# Altium PCB Version_2.PcbDoc (part 5 of 6) (continued)
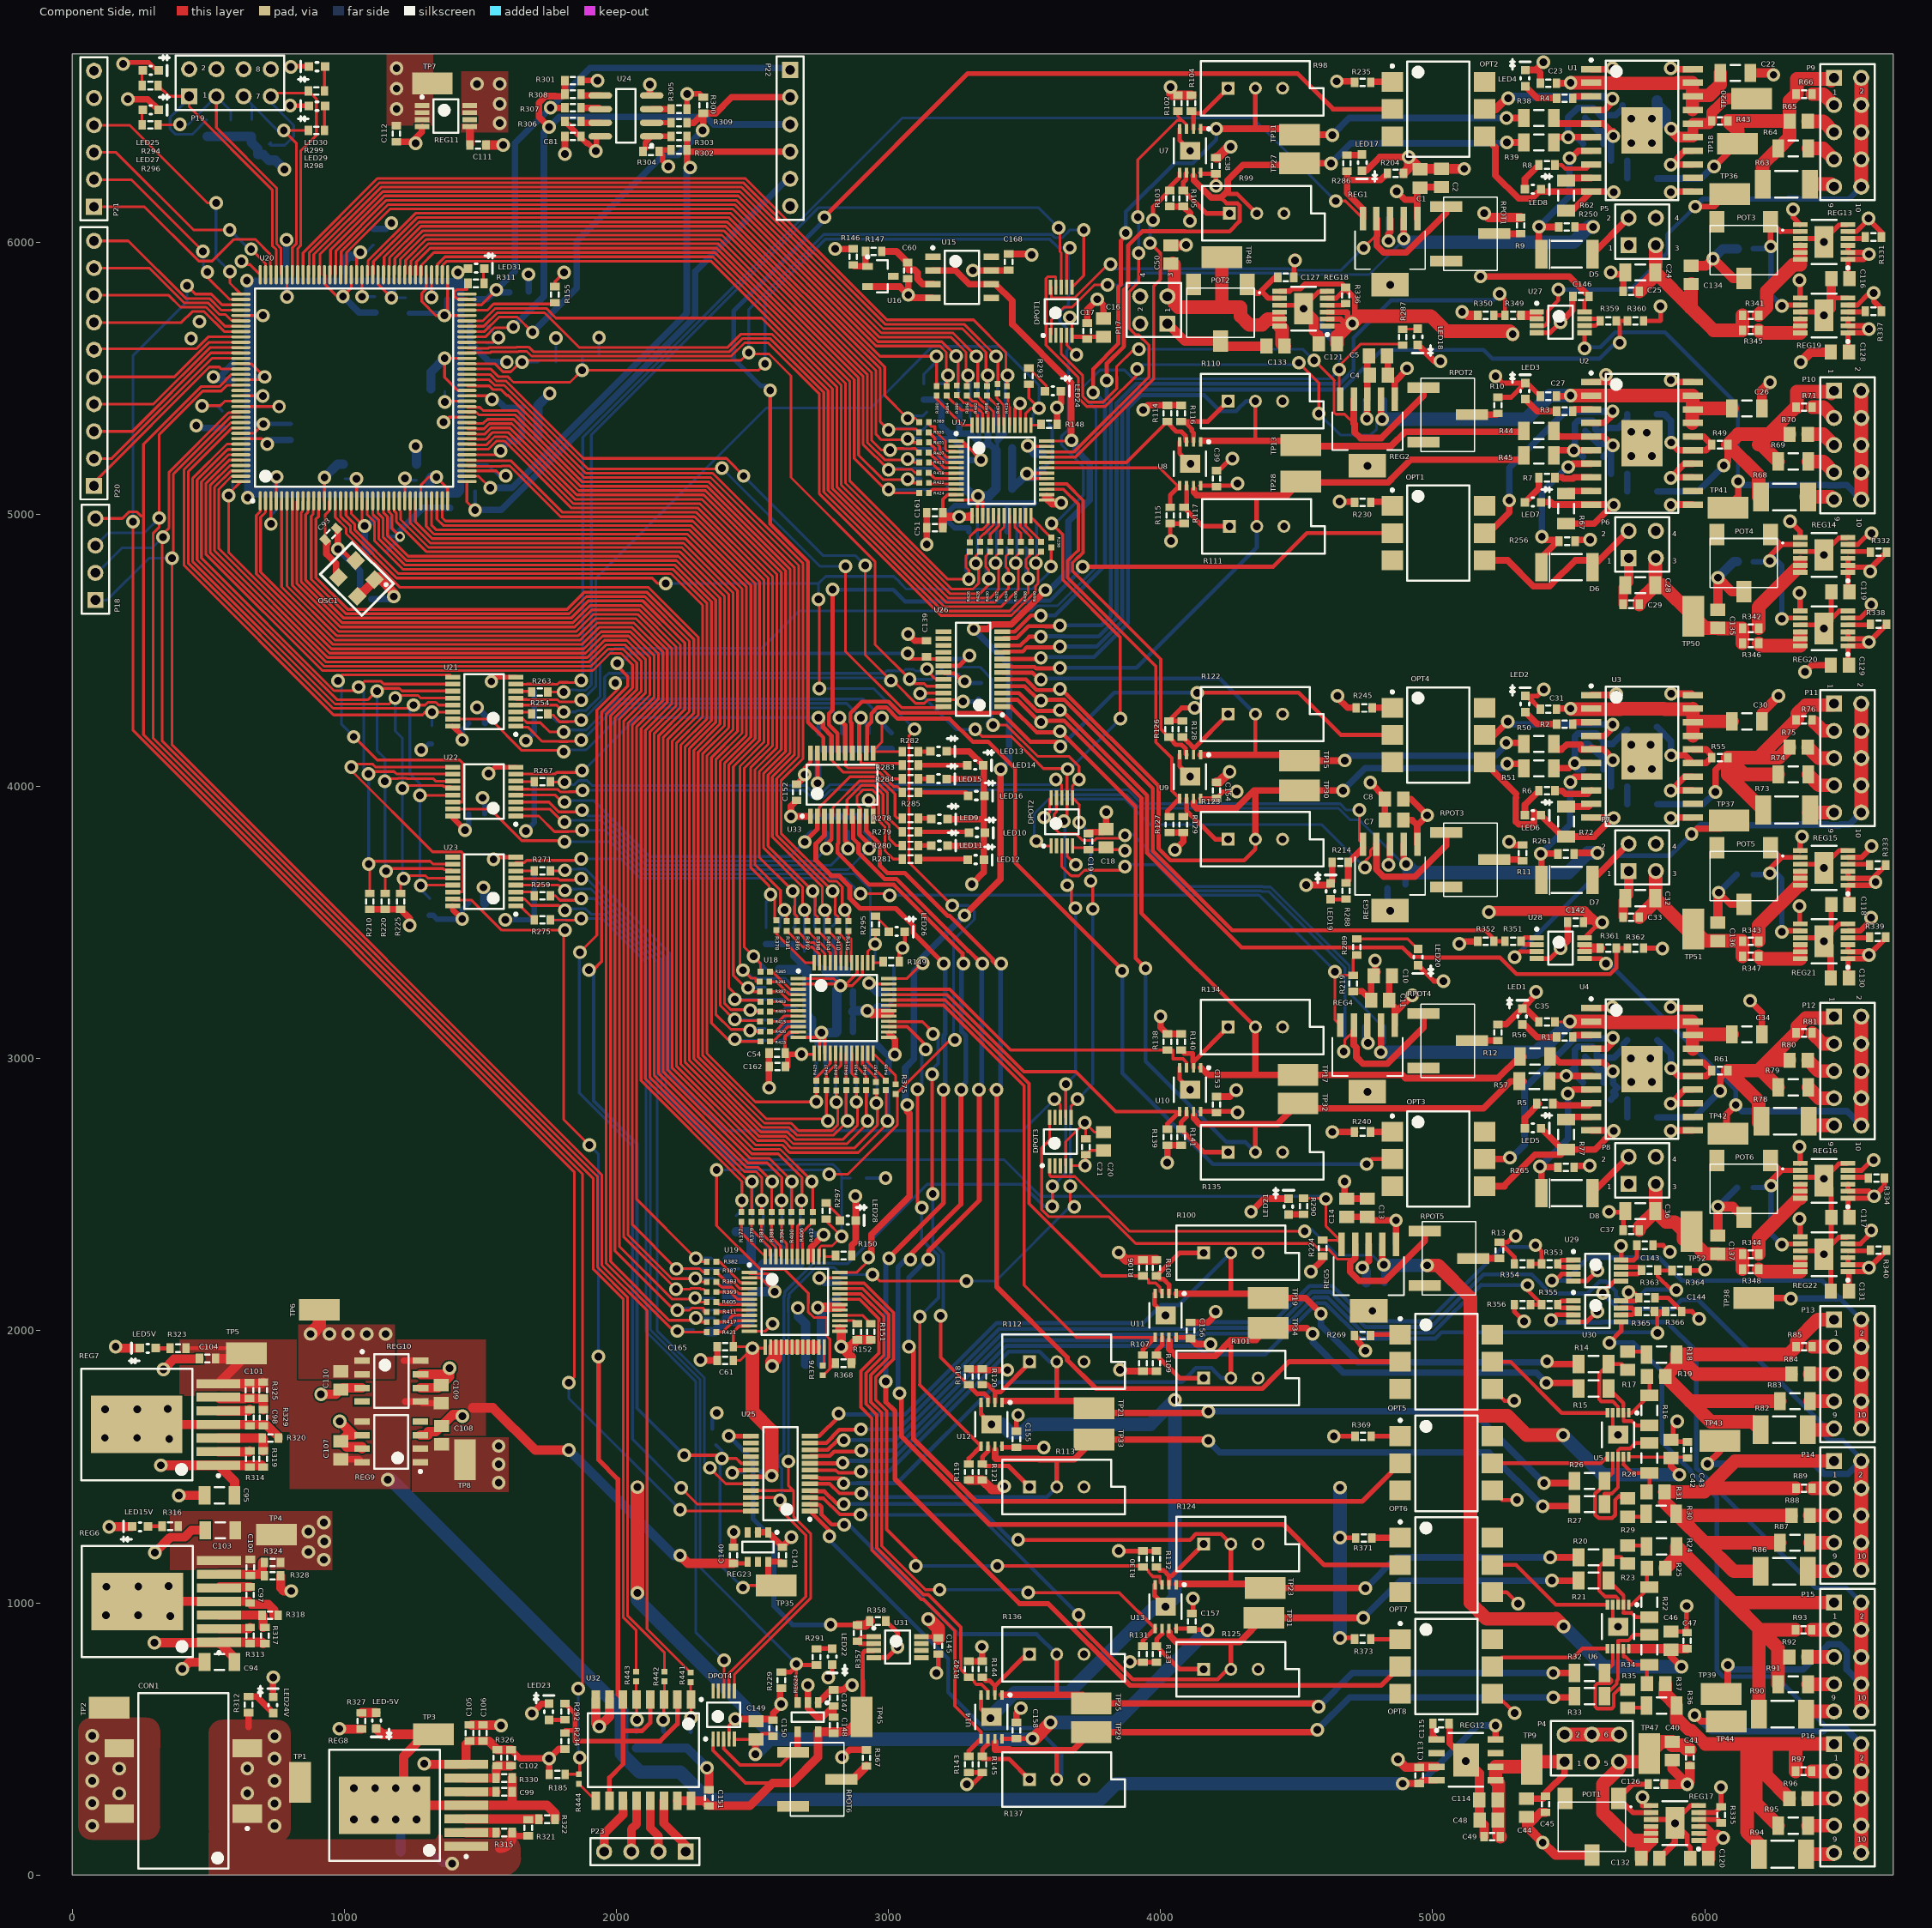
[diagram p0: Component Side view]
## Nets (pads, with @x,y where several pads share a name; then routed paths per layer and width w, separated by ;. In a path a pad name is that pad's centre, name@x,y a point inside that pad or via, vN(x,y) a via of type N, cw(c..) or ccw(c..) an arc to the next point about the centre after c; other vN are vias at no path point) (continued)
  Component Side w32: U32.15@2224.41,272.64 U32.16@2274.41,272.64 2320.87,272.64 C151.1@2339.57,253.94 2490.16,253.94 2574.31,338.09 2646.19,338.09 2741.14,433.04 REG24.5@2741.14,526.57 2847.44,526.57 TP45.1@2901.57,580.71
OUT91: P23.1 U32.14 | length 220.4
  Component Side w32: U32.14@2174.41,272.64 2174.41,189.76 2254.92,109.25 P23.1@2254.92,85.63
OUT92: P23.2 U32.13 | length 199.6
  Component Side w32: U32.13@2124.41,272.64 2124.41,172.83 2154.92,142.32 P23.2@2154.92,85.63
OUT93: P23.3 U32.12 | length 195.1
  Component Side w32: P23.3@2054.92,85.63 2054.92,168.11 2074.41,187.6 U32.12@2074.41,272.64
OUT94: P23.4 U32.11 | length 215.8
  Component Side w32: P23.4@1954.92,85.63 1954.92,151.77 2024.41,221.26 U32.11@2024.41,272.64
OUTB1: R349.1 U27.1 U27.2 | length 241.9
  Component Side w35: R349.1@5324.77,5730.96 5385.24,5730.96 ; R349.1@5324.77,5730.96 5382.64,5730.96 ; R349.1@5324.77,5730.96 5382.64,5730.96 ; R349.1@5324.77,5730.96 5385.24,5730.96 ; 5382.64,5730.96 5385.24,5730.96 ; 5382.64,5730.96 5385.24,5730.96
OUTB2: R359.1 U27.6 U27.7 | length 126.3
  Component Side w15: U27.6@5557.84,5693.17 5597.91,5693.17 R359.1@5615.71,5710.96 5607.91,5718.76 U27.7@5557.84,5718.76
OUTB3: R351.1 U28.1 U28.2 | length 126.3
  Component Side w17: U28.2@5382.64,3418.76 5336.97,3418.76 R351.1@5324.77,3430.96 5338.15,3444.35 U28.1@5382.64,3444.35
OUTB4: R361.1 U28.6 U28.7 | length 241.9
  Component Side w35: 5555.24,3405.96 R361.1@5615.71,3405.96 ; 5555.24,3405.96 5557.84,3405.96 ; 5555.24,3405.96 5557.84,3405.96 ; 5555.24,3405.96 R361.1@5615.71,3405.96 ; 5557.84,3405.96 R361.1@5615.71,3405.96 ; 5557.84,3405.96 R361.1@5615.71,3405.96
OUTB5: R353.1 U29.1 U29.2 | length 109.1
  Component Side w17: R353.1@5459.77,2245.96 5473.15,2259.35 U29.1@5517.64,2259.35 ; R353.1@5471.97,2233.76 U29.2@5517.64,2233.76
OUTB6: R363.1 U29.6 U29.7 | length 144.4
  Component Side w17: U29.6@5692.84,2208.17 5753.44,2208.17 R363.1@5767.72,2222.44 ; U29.7@5692.84,2233.76 R363.1@5756.4,2233.76
OUTB7: R355.1 U30.1 U30.2 | length 126.3
  Component Side w17: U30.2@5517.64,2083.76 5471.97,2083.76 R355.1@5459.77,2095.96 5473.15,2109.35 U30.1@5517.64,2109.35
OUTB8: R365.1 U30.6 U30.7 | length 116.3
  Component Side w17: U30.6@5692.84,2058.17 5732.91,2058.17 5745.71,2070.96 5732.91,2083.76 U30.7@5692.84,2083.76
OUTB9: R357.1 U31.1 U31.2 | length 118
  Component Side w17: R357.1@2885.83,859.25 2902.24,875.67 U31.1@2946.02,875.67 ; R357.1@2895,850.08 U31.2@2946.02,850.08
OUTC1: R349.2 R350.1 U26.10 | length 3024.7
  Component Side w15: U26.10@3418.51,4518.46 3485,4518.46 3516.95,4550.42 v1(3560.21,4550.42) ; R350.1@5224.77,5730.96 R349.2@5265.71,5730.96 5265.71,5790.39 v1(5246.06,5810.04)
  Solder Side w15: v1(3560.21,4550.42) 3562.26,4552.46 3646.19,4552.46 3647.19,4551.46 3772.31,4551.46 3838.06,4617.22 3838.06,5407.94 3910.07,5479.95 3936.94,5479.95 3936.99,5479.99 4177.58,5479.99 4177.62,5479.95 4659.35,5479.95 4709.32,5529.91 4709.32,5649.33 4846.4,5786.42 5222.44,5786.42 v1(5246.06,5810.04)
OUTC2: R359.2 R360.1 U26.9 | length 3353
  Component Side w15: U26.9@3421.15,4496.1 3493.42,4496.1 3508.48,4511.16 3627.44,4511.16 v1(3630.24,4513.96) ; v1(5687.29,5630.2) 5687.29,5698.44 R359.2@5674.77,5710.96 R360.1@5715.71,5710.96
  Solder Side w15: v1(3630.24,4513.96) 3764.5,4513.96 3859.06,4608.52 3859.06,5399.24 3918.77,5458.95 3945.64,5458.95 3945.69,5458.99 4168.88,5458.99 4168.92,5458.95 4668.05,5458.95 4813.43,5604.33 5187.01,5604.33 5219.6,5571.74 5612.09,5571.74 5670.28,5629.92 5685.04,5629.92 5685.31,5630.2 v1(5687.29,5630.2)
OUTC3: R351.2 R352.1 U26.4 | length 2360.6
  Component Side w15: U26.4@3418.51,4368.46 3500.59,4368.46 v1@3553.11,4315.94 ; v1(3561.02,4315.94) 3563.54,4318.46 3646.19,4318.46 3971.46,3993.19 3971.46,3763.68 4263.68,3471.46 5192.77,3471.46 R352.1@5224.77,3439.46 ; R352.1@5224.77,3430.96 R351.2@5265.71,3430.96
OUTC4: R361.2 R362.1 U26.3 | length 2929.9
  Component Side w15: U26.3@3418.51,4343.46 3479.06,4343.46 3545.08,4277.44 v1@3627.72,4277.44 ; v1(3630.24,4279.96) 3637.24,4279.96 3950.46,3966.75 3950.46,3754.98 4297.25,3408.19 4889.65,3408.19 4924.53,3373.31 4966.65,3373.31 4968.9,3371.06 5248.7,3371.06 5308.86,3310.91 5652.76,3310.91 5675.31,3333.46 R361.2@5675.31,3405.96 ; R361.2@5674.77,3405.96 R362.1@5715.71,3405.96
OUTC5: R353.2 R354.1 U25.11 | length 3207.2
  Component Side w15: U25.11@2710.87,1587.52 2771.18,1587.52 2819.68,1636.02 v1@2896.91,1636.02 ; v1@2890.84,1635.02 v1@2895.34,1630.52 ; R354.1@5359.77,2245.96 R353.2@5400.71,2245.96 5400.71,2291.22 v1(5377.95,2313.98)
  Solder Side w15: v1(2898.76,1637.88) 3037.31,1637.88 3406.52,2007.08 4125.63,2007.08 4149.93,2031.38 4414.41,2031.38 4547.52,2164.49 4631.61,2164.49 4761.67,2034.44 4984.36,2034.44 5258,2308.07 5372.05,2308.07 v1(5377.95,2313.98) v1@5377.95,2304.6
OUTC6: R363.2 R364.1 U25.10 | length 3835.2
  Component Side w15: U25.10@2710.87,1562.52 2777.08,1562.52 2812.09,1597.52 v1(2835.63,1597.52) ; R363.2@5826.77,2222.44 5826.77,2199.8 5876.97,2149.61 v1(5895.67,2149.61) ; R363.2@5827.76,2221.46 R364.1@5879.92,2221.46
  Solder Side w15: v1@2837.63,1595.52 v1(2835.63,1597.52) 2836.73,1598.62 3027.75,1598.62 3415.22,1986.08 4134.33,1986.08 4158.63,2010.38 4423.11,2010.38 4556.22,2143.49 4622.91,2143.49 4752.97,2013.44 4993.06,2013.44 5186.42,2206.79 ; 5187.83,2206.79 5363.96,2206.79 5399.51,2171.24 5399.51,2168.52 5431.22,2136.81 5569.18,2136.81 5613.57,2181.2 5636.83,2181.2 5673.11,2144.91 5673.11,2127.75 5697.53,2103.34 5735.71,2103.34 5782.97,2150.59 v1@5894.68,2150.59
OUTC7: R355.2 R356.1 U25.9 | length 3136.2
  Component Side w15: U25.9@2713.51,1540.16 2784.66,1540.16 2800.01,1555.52 2898.1,1555.52 v1@2899.75,1557.16 ; v1(5348.69,2167.43) 5348.69,2147.99 R355.2@5400.71,2095.96 R356.1@5359.77,2095.96
  Solder Side w15: v1(2899.75,1560.12) 3018.95,1560.12 3423.92,1965.08 4143.03,1965.08 4167.33,1989.38 4431.81,1989.38 4564.92,2122.49 4614.21,2122.49 4744.27,1992.44 5001.76,1992.44 5177.63,2168.31 5178.51,2167.43 v1(5348.69,2167.43)
OUTC8: R365.2 R366.1 U25.8 | length 3595
  Component Side w15: U25.8@2710.87,1512.52 v1@2850.1,1512.52 ; R365.2@5804.77,2070.96 5845.71,2070.96 5825.79,2051.04 v1(5825.79,1992.13)
  Solder Side w15: v1(2831.69,1514.76) 2838.77,1521.84 2883.58,1521.84 2883.8,1521.62 2915.7,1521.62 2915.92,1521.84 3010.37,1521.84 3432.61,1944.08 4135.63,1944.08 4167.33,1912.38 4384.51,1912.38 4573.62,2101.49 4605.51,2101.49 4735.57,1971.44 5010.46,1971.44 5033.23,1994.21 5823.7,1994.21 v1(5825.79,1992.13)
OUTC9: R357.2 R358.1 U25.13 | length 1160.7
  Component Side w18: v1(2413.39,1613.19) 2414.06,1612.52 U25.13@2494.33,1612.52 ; v1(2787.4,919.29) R357.2@2884.84,919.29
  Component Side w35: R357.2@2885.83,918.31 2916.34,918.31 R358.1@2931.1,933.07
  Solder Side w18: v1(2413.39,1613.19) 2501.73,1524.84 2501.73,1308.64 2578.74,1231.63 2578.74,988.19 2647.64,919.29 v1(2787.4,919.29)
OUTM1: R39.2 R99.2 TP27.1 U7.7 U26.11 | length 3925.1
  Component Side w15: U26.11@3418.51,4543.46 3421.15,4546.1 3471.47,4546.1 3514.29,4588.92 3576.16,4588.92 3576.62,4588.46 3626.74,4588.46 v1(3630.24,4591.96) ; v1(3802.35,5491.41) 3802.35,5554.76 3865.21,5617.62 3865.21,5825.83 3880.91,5841.52 3880.91,5988.19 3887.98,5995.26 3888.18,5995.26 3910.74,6017.81 3910.74,6018.02 3933.07,6040.35 4091.22,6040.35 4092.32,6039.26 4253.18,6039.26 4290.67,6076.75 4290.67,6135.18 4282.76,6143.08 4242.16,6143.08 4221.36,6163.89 ; 4234.66,6177.19 4282.32,6177.19 R99.2@4353.55,6105.96
  Component Side w24: U7.7@4121.34,6243.58 4122.68,6242.24 4122.68,6226.94 4185.73,6163.89 4221.36,6163.89 4234.66,6177.19 4246.54,6189.08 4246.54,6225.84 4245.54,6226.84 4303.15,6284.45 TP27.1@4504.71,6284.45 ; TP27.1@4510.24,6289.98 v1(4626.36,6289.98) ; v1(5273.3,6366.8) R39.2@5335.12,6366.8
  Solder Side w15: v1(3630.24,4591.96) 3783.11,4591.96 3817.06,4625.91 3817.06,5416.46 3802.2,5431.32 3802.2,5491.26 v1(3802.35,5491.41)
  Solder Side w24: v1(4626.36,6289.98) 4700.08,6363.7 5221.17,6363.7 5222.17,6364.7 5271.2,6364.7 v1(5273.3,6366.8)
OUTM2: R45.2 R111.2 TP28.1 U8.7 U26.7 | length 2608.7
  Component Side w15: U26.7@3418.51,4443.46 3421.15,4440.82 3453.63,4440.82 3454.98,4439.46 3537.09,4439.46 3543.09,4433.46 3627.74,4433.46 v1(3630.24,4435.96)
  Component Side w17: R111.2@4353.55,4955.96 4353.55,5068.8
  Component Side w24: U8.7@4122.68,5092.24 4122.68,5080.51 4133.23,5069.97 4230.94,5069.97 4231.41,5070.44 4466.23,5070.44 4466.23,5070.97 TP28.1@4515.24,5119.98 4515.24,5117.05 4836.59,5117.05 4847.13,5127.59 4847.13,5129.01 4918.39,5200.26 5318.58,5200.26 R45.2@5335.12,5216.81
  Solder Side w15: v1(3630.24,4435.96) 3911.36,4435.96 4353.55,4878.15 R111.2@4353.55,4955.96
OUTM3: R51.2 R123.2 TP30.1 U9.7 U26.5 | length 2875.3
  Component Side w15: U26.5@3418.51,4393.46 3505.29,4393.46 3544.29,4354.46 3626.74,4354.46 v1(3630.24,4357.96) 3636.38,4357.96 3992.46,4001.89 3992.46,3772.38 4036.82,3728.02 4307.42,3728.02 4348.55,3769.14 R123.2@4348.55,3805.96
  Component Side w24: U9.7@4122.25,3942.67 4122.68,3942.24 4122.68,3930.51 4133.23,3919.97 4279.01,3919.97 4344.02,3984.98 TP30.1@4510.24,3984.98 v1(4670.53,3984.98) ; R123.2@4348.55,3805.96 4348.55,3980.45 ; v1(5273.62,4083.66) 5318.26,4083.66 R51.2@5335.12,4066.81
  Solder Side w24: v1(4670.53,3984.98) 4752.48,4066.93 5256.89,4066.93 v1(5273.62,4083.66)
OUTM4: R57.2 R135.2 TP32.1 U10.7 U26.1 | length 3536.9
  Component Side w15: U26.1@3418.51,4293.46 3450.32,4293.46 3545.08,4198.7 v1@3625.84,4198.7 ; v1(3630.1,4202.96) 3630.65,4202.96 3908.46,3925.16 3908.46,3368.12 v1(3944.88,3331.69)
  Component Side w17: R135.2@4348.55,2655.96 4348.55,2757.09
  Component Side w24: U10.7@4122.68,2792.24 4122.68,2780.51 4144.03,2759.17 4429.43,2759.17 TP32.1@4505.24,2834.98 TP32.1@4516.4,2823.82 ; TP32.1@4523.17,2817.05 5186.45,2817.05 5286.2,2916.81 R57.2@5335.12,2916.81
  Solder Side w15: v1(3944.88,3331.69) 3944.88,2990.16 4241.96,2693.08 4311.42,2693.08 R135.2@4348.55,2655.96
OUTM5: R15.2 R101.2 TP34.1 U11.7 U25.6 | length 3579.1
  Component Side w15: U25.6@2710.87,1462.52 2713.51,1459.88 2745.99,1459.88 2748.35,1457.52 2791.56,1457.52 2791.82,1457.26 2826.85,1457.26 v1@2847.1,1437.02
  Component Side w17: R101.2@4258.55,1825.96 4258.55,1965.34
  Component Side w24: U11.7@4032.25,1962.67 4032.25,1933.46 4031.43,1932.64 4056.19,1907.88 4201.09,1907.88 4258.55,1965.34 4350.6,1965.34 TP34.1@4395.24,2009.98 4537.27,2009.98 v1(4559.06,1988.19) ; v1(5418.31,1808.07) R15.2@5515.82,1808.07
  Solder Side w15: v1(2834.78,1439.05) v1(2834.78,1439.05) 2845.15,1449.47 2855.1,1439.52 2884.16,1439.52 2884.78,1440.14 3032.66,1440.14 3403.54,1811.02 4078.69,1811.02 4121.42,1853.76 4121.42,1855.18 4129.33,1863.08 4187.76,1863.08 4195.67,1855.18 4195.67,1853.76 4223.47,1825.96 R101.2@4258.55,1825.96
  Solder Side w24: v1(4559.06,1988.19) 4559.06,1958.66 4671.92,1845.8 5380.58,1845.8 v1(5418.31,1808.07)
OUTM6: R27.2 R113.2 TP33.1 U12.7 U25.5 | length 3338.8
  Component Side w13: U25.5@2710.87,1437.52 2783.28,1437.52 2819.25,1401.55 v1@2896.58,1401.55
  Component Side w15: v1@2898.61,1399.52 v1(2900.73,1401.64)
  Component Side w17: R113.2@3618.55,1425.96 3618.55,1526.54
  Component Side w24: U12.7@3392.25,1562.67 3392.25,1533.46 3391.43,1532.64 3394.62,1529.45 3551.72,1529.45 3553.23,1527.94 3683.2,1527.94 TP33.1@3755.24,1599.98 4170.69,1599.98 v1(4175.2,1595.47) ; v1(5404.53,1355.32) R27.2@5514.35,1355.32
  Solder Side w15: v1(2900.73,1401.64) 2902.81,1401.64 2914.55,1413.39 2939.1,1388.84 3581.42,1388.84 R113.2@3618.55,1425.96
  Solder Side w24: v1(4175.2,1595.47) 4217.52,1553.15 5206.69,1553.15 v1(5404.53,1355.32)
OUTM7: R21.2 R125.2 TP31.1 U13.7 U25.3 | length 3581.4
  Component Side w13: U25.3@2714.51,1383.88 2762.09,1383.88 2821,1324.96 2896.49,1324.96 2896.65,1324.8 2896.79,1324.66 v1(2896.79,1323.88)
  Component Side w15: v1@2893.37,1321.52 v1@2896.65,1324.8 ; v1(3698.82,955.71) 3698.82,917.67 3897.65,718.84 4209.98,718.84 4247.1,755.96 R125.2@4258.55,755.96
  Component Side w17: R125.2@4258.55,755.96 4258.55,856.61
  Component Side w24: U13.7@4032.25,892.67 4032.68,892.24 4032.68,880.51 4056.59,856.61 4258.55,856.61 4291.87,856.61 TP31.1@4380.24,944.98 v1(4745.17,944.98) ; v1(5437.99,1081.69) R21.2@5535.73,1081.69
  Solder Side w13: v1(2896.79,1323.88) 3330.64,1323.88 v1(3698.82,955.71)
  Solder Side w24: v1(4745.17,944.98) 4881.89,1081.69 v1(5437.99,1081.69)
OUTM8: R33.2 R137.2 TP29.1 U14.7 U25.1 | length 3786.3
  Component Side w15: U25.1@2710.87,1337.52 v1@2782.6,1265.79
  Component Side w17: R137.2@3618.55,350.96 3618.55,456.58
  Component Side w24: U14.7@3392.25,487.67 3392.25,461.81 3391.43,460.99 3444.58,460.99 ; 3445.29,461.7 3449,457.98 3678.24,457.98 TP29.1@3745.24,524.98 4567.3,524.98 v1(4575.79,533.46) ; v1(5442.91,652.56) R33.2@5516.6,652.56
  Solder Side w15: v1(2782.6,1245.02) 2782.6,1231.18 3219.49,794.29 3219.49,671.26 3353.29,537.46 3391.19,537.46 3393.21,539.48 3545.47,539.48 3568.03,516.93 3568.03,515.52 3635.83,447.72 3635.83,368.24
  Solder Side w24: v1(4575.79,533.46) 4694.88,652.56 v1(5442.91,652.56)
OUTP1: R38.2 R98.2 TP11.1 U7.1 U26.12 | length 3680.9
  Component Side w15: U26.12@3418.51,4568.46 3464.13,4568.46 3523.85,4628.18 v1(3560.21,4628.18) ; v1(3752.15,5448.1) 3752.15,5534.26 3844.21,5626.31 3844.21,5834.52 3854.44,5844.76 3854.44,6006.08 3876.97,6028.6 3876.97,6029.03 v1(3872.24,6033.76)
  Component Side w17: U7.1@4146.93,6416.45 4147.8,6417.32 v1(4204.72,6417.32) ; 4348.55,6421.38 R98.2@4348.55,6565.96
  Component Side w24: v1(4204.72,6417.32) TP11.1@4487.89,6417.32 ; TP11.1@4510.24,6394.98 4632.58,6394.98 v1(4631.3,6393.7) ; v1(5271.74,6456.69) 5271.69,6456.73 R38.2@5335.12,6456.73
  Solder Side w15: v1(3560.21,4628.18) 3561.5,4629.46 3582.49,4629.46 3583.49,4628.46 3612.03,4628.46 3796.06,4812.49 3796.06,5407.76 v1@3752.95,5450.87 ; v1@3750.18,5448.1 3750.18,5448.5 3752.22,5450.54 3752.22,5448.17 v1(3752.15,5448.1) ; v1(3872.24,6033.76) 3872.24,6111.41 4051.18,6290.35 4117.39,6290.35 4204.72,6377.69 v1(4204.72,6417.32)
  Solder Side w24: v1(4631.3,6393.7) 4694.3,6456.69 v1(5271.74,6456.69)
OUTP2: R44.2 R110.2 TP13.1 U8.1 U26.8 | length 3175.8
  Component Side w15: U26.8@3418.51,4468.46 v1@3557.74,4468.46 ; v1(3560.21,4472.66) 3561.94,4472.66 v1@3562.74,4473.46 ; 4348.55,5269.53 R110.2@4348.55,5415.96
  Component Side w24: U8.1@4150.82,5270.35 4499.87,5270.35 TP13.1@4503.76,5266.45 ; TP13.1@4515.24,5254.98 4519.7,5250.51 4847.02,5250.51 4900.15,5303.63 R44.2@5332.02,5303.63
  Solder Side w15: v1(3560.21,4472.66) 3561.94,4472.66 3564.74,4475.46 3755.7,4475.46 3880.06,4599.82 3880.06,5390.54 3927.46,5437.95 3954.34,5437.95 3954.38,5437.99 4160.18,5437.99 4219.33,5378.84 4277.76,5378.84 4285.67,5386.75 4285.67,5388.16 4313.47,5415.96 R110.2@4348.55,5415.96
OUTP3: R50.2 R122.2 TP15.1 U9.1 U26.6 | length 2339.2
  Component Side w15: U26.6@3418.51,4418.46 3528.39,4418.46 3553.89,4392.96 v1(3560.24,4392.96) v1@3562.74,4395.46 ; 4348.55,4122.24 R122.2@4348.55,4265.96
  Component Side w24: U9.1@4146.93,4116.45 TP15.1@4488.76,4116.45 ; TP15.1@4510.24,4094.98 4676.67,4094.98 v1(4677.17,4095.47) ; v1(5270.67,4160.43) 5331.42,4160.43 R50.2@5335.12,4156.73
  Solder Side w15: v1@3562.74,4395.46 3563.74,4396.46 4218.05,4396.46 R122.2@4348.55,4265.96
  Solder Side w24: v1(4677.17,4095.47) 4694.35,4112.66 5229.79,4112.66 5270.67,4153.54 v1(5270.67,4160.43)
OUTP4: R56.2 R134.2 TP17.1 U10.1 U26.2 | length 3081.1
  Component Side w15: U26.2@3418.51,4318.46 3474.36,4318.46 v1@3555.62,4237.2 ; v1(3561.02,4237.2) 3565.28,4241.46 3646.05,4241.46 3929.46,3958.05 3929.46,3535.05 R134.2@4348.55,3115.96
  Component Side w24: U10.1@4147.84,2966.45 4174.32,2939.98 TP17.1@4505.24,2939.98 4888.43,2939.98 4900.15,2928.26 5240.27,2928.26 ; 4348.55,2943.05 R134.2@4348.55,3115.96 ; 5241.27,2929.26 5318.74,3006.73 R56.2@5335.12,3006.73
OUTP5: R14.2 R100.2 TP19.1 U11.1 U25.12 | length 3575.9
  Component Side w15: U25.12@2710.87,1612.52 2745.39,1612.52 2816.93,1684.06 v1(2816.93,1694.88)
  Component Side w17: 4258.55,2139.09 R100.2@4258.55,2285.96
  Component Side w24: U11.1@4057.84,2136.45 TP19.1@4378.76,2136.45 ; TP19.1@4395.24,2119.98 4532.58,2119.98 v1(4589.57,2062.99) ; v1(5420.28,1887.8) 5430.64,1877.43 R14.2@5536.47,1877.43
  Solder Side w15: v1(2816.93,1694.88) 2816.93,1692.32 3062.05,1692.32 3397.82,2028.08 3936.22,2028.08 4002.6,2094.46 4067.05,2094.46 R100.2@4258.55,2285.96
  Solder Side w24: v1(4589.57,2062.99) 4589.57,2018.7 4725.09,1883.18 5415.66,1883.18 v1(5420.28,1887.8)
OUTP6: R26.2 R112.2 TP21.1 U12.1 U25.7 | length 3447
  Component Side w13: U25.7@2710.87,1487.52 2805.91,1487.52 2816.16,1477.26 v1@2893.67,1477.26
  Component Side w15: v1@2894.66,1477.26 v1@2898.76,1481.37
  Component Side w17: 3618.55,1738.86 R112.2@3618.55,1885.96
  Component Side w24: U12.1@3422.28,1741.8 3728.41,1741.8 TP21.1@3733.76,1736.45 ; TP21.1@3755.24,1714.98 3772.38,1697.83 4169.29,1697.83 v1(4175.2,1703.74) ; v1(5409.45,1439.96) R26.2@5514,1439.96
  Solder Side w15: v1@2900.41,1483.02 3001.25,1483.02 3441.31,1923.08 3555.26,1923.08 3592.38,1885.96 R112.2@3618.55,1885.96
  Solder Side w24: v1(4175.2,1703.74) 5145.67,1703.74 v1(5409.45,1439.96)
  other v1: 2898.76,1482.36
OUTP7: R20.2 R124.2 TP23.1 U13.1 U25.4 | length 3304.4
  Component Side w15: U25.4@2713.51,1409.88 2764.37,1409.88 2810.99,1363.26 v2(2835.77,1363.26) ; v1(3476.38,1231.3) 4108.96,1231.3 4121.42,1243.76 4121.42,1245.18 4129.33,1253.08 4221.42,1253.08 R124.2@4258.55,1215.96
  Component Side w17: 4258.55,1068.73 R124.2@4258.55,1215.96
  Component Side w24: U13.1@4060.04,1069.56 4370.66,1069.56 TP23.1@4373.76,1066.45 ; TP23.1@4385.24,1054.98 4751.12,1054.98 v1(4752.95,1053.15) ; v1(5432.09,1167.32) R20.2@5536.36,1167.32
  Solder Side w15: v2(2835.77,1363.26) 2835.82,1363.3 2884.62,1363.3 2884.78,1363.14 2916.68,1363.14 2916.84,1363.3 3319.51,1363.3 ; 3320.51,1362.3 3451.51,1231.3 v1(3476.38,1231.3)
  Solder Side w24: v1(4752.95,1053.15) 4867.13,1167.32 v1(5432.09,1167.32)
OUTP8: R32.2 R136.2 TP25.1 U14.1 U25.2 | length 3447.9
  Component Side w15: U25.2@2710.87,1362.52 2713.51,1359.88 2745.99,1359.88 2753.9,1351.97 2753.9,1324.19 2790.62,1287.46 v1(2837.74,1287.46)
  Component Side w17: 3618.55,662.99 R136.2@3618.55,810.96
  Component Side w24: U14.1@3416.93,661.45 TP25.1@3713.76,661.45 ; TP25.1@3745.24,629.98 4576.72,629.98 4580.93,625.76 v1(4580.93,618.14) ; v1(5442.91,742.13) R32.2@5521.17,742.13
  Solder Side w15: v1(2837.74,1287.46) 2837.74,1294.67 2842.34,1299.27 3256.77,884.84 3544.67,884.84 R136.2@3618.55,810.96
  Solder Side w24: v1(4580.93,618.14) 4704.92,742.13 v1(5442.91,742.13)
PROGB: P22.5 R310.1 U20.37 | length 1943.8
  Component Side w10: U20.37@1450.67,5120.51 1450.67,5045.71 v1(1480.41,5015.96)
  Solder Side w15: v1(1480.41,5015.96) R310.1@1480.41,5084.15
  Solder Side w24: v1(1480.41,5015.96) 1576.95,5015.96 2288.72,5727.74 2288.72,5892.07 2629.53,6232.87 P22.5@2638.78,6232.87
PSAVE1: R239.1 R293.1 U17.38 U21.5 | length 3115.9
  Component Side w10: U21.5@1630.18,4324.53 1630.18,4319.72 1669.64,4319.72 1670.64,4318.72 1783.25,4318.72 1791.19,4310.79 1870.1,4310.79 v1@1871.1,4311.79 ; U17.38@3503.82,5327.3 3503.82,5369.54 3524.3,5390.03 v1(3553.32,5390.03) 3515.75,5427.6 R293.1@3515.75,5478.35
  Solder Side w10: v1@1876.1,4316.79 1876.1,4319.08 1923.96,4366.93 1923.96,4764.37 2550.17,5390.58 2934.95,5390.58 3161.39,5617.02 3337.09,5617.02 3337.97,5616.14 3379.51,5616.14 3380.33,5616.96 3410.15,5616.96 3553.32,5473.79 v1(3553.32,5390.03) 3531.18,5367.89 R239.1@3531.18,5330.96
  other v1: 1870.98,4316.93
PSAVE2: R244.1 R295.1 U18.38 U22.15 | length 2073.7
  Component Side w10: U22.15@1397.9,3917.19 1535.84,3917.19 1652.41,3800.61 v1@1805.19,3800.61 ; U18.38@2923.82,3352.3 2923.82,3394.54 v1(2950.24,3420.96) ; v1@2952.17,3422.89 R295.1@2952.17,3463.99
  Solder Side w10: v1@1825.29,3780.51 v1(1809.06,3796.75) 1977.13,3796.75 2095.47,3678.4 2876.45,3678.4 2933.64,3621.21 2933.64,3437.56 v1(2950.24,3420.96) R244.1@2950.24,3350.94
PSAVE3: R249.1 R297.1 U19.38 U23.4 | length 2402.2
  Component Side w10: U23.4@1630.18,3637.79 1630.18,3637.95 1786.09,3637.95 v1@1806.1,3617.94 ; U19.38@2743.82,2272.3 2746.6,2272.3 2746.6,2305.61 2752.84,2311.84 2793.14,2311.84 v1(2827.76,2346.46) R297.1@2770.67,2403.54
  Solder Side w10: v1@1806.1,3617.94 1811.1,3622.94 1855.19,3622.94 1856.19,3623.94 1905.55,3623.94 2165.61,3363.89 2165.61,2879.92 2434.6,2610.93 2796.57,2610.93 2817.66,2589.84 2817.66,2586.61 2827.76,2576.52 v1(2827.76,2346.46) ; 2830.71,2561.02 R249.1@2860.24,2561.02
  other v1: 1811.1,3617.94
REG_EN: R215.1 U20.134 U21.13 U22.13 U23.13 | length 2810.6
  Component Side w10: U20.134@619.96,5317.36 586.21,5317.36 426.8,5157.96 426.8,4819.56 959.21,4287.15 1242.6,4287.15 v1(1254.38,4298.94) 1296.35,4298.94 1306.76,4309.35 1336.58,4309.35 1346.99,4298.94 U21.13@1397.9,4298.94 ; v1@1264.76,3637.79 1266.55,3636 v1(1281.56,3636) ; v1(1277.62,3966.73) 1396.26,3966.73 U22.13@1397.9,3968.37 ; v1@1282.48,3637.79 U23.13@1397.9,3637.79
  Solder Side w10: v1(1254.38,4298.94) 1241.14,4285.7 1241.14,4047.24 1277.32,4011.06 v1@1277.32,3968.37 ; v1@1264.76,4298.94 1276.57,4287.13 ; v1@1276.57,3625.98 R215.1@1314.47,3588.09 ; v1(1277.62,3966.73) 1277.62,3643.25 1277.32,3642.95 1281.56,3638.72 v1(1281.56,3636)
REG_IN: R205.1 U20.133 U21.14 | length 1902.3
  Component Side w10: U20.133@619.96,5337.05 583.27,5337.05 410.8,5164.58 410.8,4812.93 960.8,4262.94 1287.4,4262.94 1297.81,4273.35 v1(1321.67,4273.35) U21.14@1397.9,4273.35
  Solder Side w10: R205.1@1321.85,4222.44 v1@1321.85,4273.29
REG_LCLK: R225.1 U20.137 U21.12 U22.12 U23.12 | length 2809.9
  Component Side w10: U20.137@619.96,5258.31 568.35,5258.31 442.8,5132.76 442.8,4826.19 965.84,4303.15 1165.72,4303.15 v1(1187.1,4324.53) ; v1@1197.51,4334.94 1270.11,4334.94 1279.7,4325.35 1397.9,4325.35 U21.12@1397.9,4324.53 ; R225.1@1206.69,3613.19 v1@1206.69,3662.46 ; v1@1207.62,3663.38 1217.03,3672.79 1296.98,3672.79 1306.39,3663.39 U23.12@1397.9,3663.39 ; v1@1217.03,4003.37 1362.1,4003.37 1365.78,3999.69 1392.16,3999.69 U22.12@1397.9,3993.96
  Solder Side w10: v1(1187.1,4324.53) 1187.1,4203.65 1213.29,4177.46 v1(1213.29,3993.96) v1@1213.29,3668.27
  other v1: 1218.56,3661.6
REG_OUT1: U21.9 U22.14 | length 1298.7
  Component Side w10: v1(977.36,4387.8) 977.36,4397.64 989.57,4409.84 1389.36,4409.84 U21.9@1397.9,4401.3 ; v1(1034.5,4182.29) 1036.21,4182.29 1121.26,4097.24 1423.36,4097.24 1436.46,4084.14 1436.46,3954.95 1435.46,3953.95 1435.46,3942.78 U22.14@1397.9,3942.78
  Solder Side w10: v1@989.17,4401.3 989.17,4229.33 1034.5,4184 v1(1034.5,4182.29)
REG_OUT2: U22.9 U23.14 | length 1088.4
  Component Side w10: v1(1025.59,4070.73) 1025.59,4058.59 1324.16,3760.02 1430.01,3760.02 1436.46,3753.57 1436.46,3612.2 U23.14@1404.63,3612.2 ; v1@1037.11,4082.24 1073.51,4082.24 1073.72,4082.46 1103.55,4082.46 1103.76,4082.24 1104.06,4082.24 1115.58,4070.73 1126.97,4070.73 1127.14,4070.9 1170.22,4070.9 1170.38,4070.73 U22.9@1397.9,4070.73
REG_RESET: R210.1 U20.139 U21.10 U22.10 U23.10 | length 3003.5
  Component Side w10: U20.139@619.96,5218.94 574.23,5218.94 474.8,5119.51 474.8,4839.44 962.45,4351.8 1038.64,4351.8 v1(1052.22,4365.37) 1072.96,4386.12 1135.54,4386.12 1145.13,4376.53 1397.9,4376.53 U21.10@1397.9,4375.71 ; v1@1093.33,3714.56 1104.16,3725.39 1315.94,3725.39 1326.77,3714.57 U23.10@1397.9,3714.57 ; R210.1@1093.5,3613.19 v1@1093.5,3714.39 ; v1@1102.74,4054.55 1133.42,4054.55 1133.77,4054.9 1163.59,4054.9 1163.94,4054.55 1183.16,4054.55 1191.75,4045.96 1397.07,4045.96 U22.10@1397.9,4045.14
  Solder Side w10: v1@1059.19,4365.37 v1(1052.22,4365.37) 1071.42,4346.17 1071.42,4065.39 1088.64,4048.18 v1(1088.64,4046.46) ; v1(1089.57,3714.56) v1@1089.57,3718.33 ; v1@1089.57,4047.24 v1@1089.57,3718.33 ; v1@1093.33,3714.56 v1@1089.57,3718.33
REG_SCLK: R220.1 U20.138 U21.11 U22.11 U23.11 | length 2902
  Component Side w10: U20.138@619.96,5238.62 571.29,5238.62 458.8,5126.14 458.8,4832.82 972.47,4319.15 1087.6,4319.15 1118.57,4350.12 v1(1119.81,4350.12) 1130.22,4360.53 1202.01,4360.53 1211.6,4350.94 U21.11@1397.08,4350.94 ; R220.1@1150.1,3613.19 v1@1150.1,3688.6 ; v1@1159.89,3698.38 1362.1,3698.38 1365.78,3694.71 1392.16,3694.71 U23.11@1397.9,3688.98 ; v1@1159.89,4028.96 1197.38,4028.96 1198.38,4029.96 1228.2,4029.96 1229.2,4028.96 1326.36,4028.96 1335.77,4019.55 U22.11@1397.9,4019.55
  Solder Side w10: v1(1119.81,4350.12) 1119.81,4132.16 1149.26,4102.71 v1@1149.26,3693.59
  other v1: 1153.87,3688.97 1148.68,4018.9
RON5: R314.2 REG7.2 | length 116.2
  Component Side w35: REG7.2@537.4,1555.51 650,1555.51 R314.2@652.56,1558.07
RON15: R313.2 REG6.2 | length 116
  Component Side w34: REG6.2@539.37,904.92 649.02,904.92 R313.2@653.54,909.45
RON-5: R315.2 REG8.2 | length 110.3
  Component Side w35: REG8.2@1447.84,155.96 R315.2@1558.11,155.96
RSET1: R148.2 U17.37 | length 33.5
  Component Side w10: U17.37@3523.51,5327.3 R148.2@3557.05,5327.3
RSET2: R149.2 U18.37 | length 33.5
  Component Side w10: U18.37@2943.51,3352.3 R149.2@2977.05,3352.3
RSET3: R150.2 U19.37 | length 38.5
  Component Side w10: U19.37@2763.51,2272.3 R150.2@2802.05,2272.3
SCS: P22.4 R302.2 R303.2 U20.38 | length 2135.2
  Component Side w10: U20.38@1450.67,5140.2 1493.66,5140.2 v1(1536.42,5097.44)
  Component Side w24: R303.2@2259.72,6389.04 R302.2@2259.72,6339.04 ; v1(2271.65,6274.61) 2259.72,6286.54 R302.2@2259.72,6339.04 ; P22.4@2638.78,6332.87 2265.89,6332.87 R302.2@2259.72,6339.04
  Solder Side w24: v1(1536.42,5097.44) 1616,5097.44 2258.72,5740.16 2258.72,6265.85 2267.48,6274.61 v1(2271.65,6274.61)
SDO: P22.3 R301.2 R308.1 U20.64 | length 2150.2
  Component Side w10: U20.64@1450.67,5652.01 1518.42,5652.01 1552.02,5685.61 v1@1617.69,5685.61 ; v1@1617.84,5688.98 v1(1621.06,5688.98)
  Component Side w24: v1(1752.95,6423.23) 1715.87,6460.31 1715.87,6475.28 1714.87,6476.28 1714.87,6511.91 1740.06,6537.09 1775.69,6537.09 1776.69,6536.09 1802.72,6536.09 R308.1@1810.67,6544.04 R301.2@1810.67,6594.04
  Solder Side w24: v1(1621.06,5688.98) 1733.59,5801.5 1733.59,6403.87 v1(1752.95,6423.23) 1790.35,6460.63 2329.08,6460.63 2356.84,6432.87 P22.3@2638.78,6432.87
SET1: C122.2 POT3.1 REG13.8 REG19.8 | length 588
  Component Side w18: 6277.91,6039.35 REG13.8@6350.95,6039.35 ; v1@6286.93,5769.35 REG19.8@6350.95,5769.35
  Component Side w20: v1@6241.97,6002.54 POT3.1@6241.97,6075.29 6277.91,6039.35
  Solder Side w20: C122.2@6178.07,5975.96 6218.55,5975.96 6243.55,6000.96 6243.55,5805.96 v1(6283.55,5765.96)
  other v1: 6243.11,5984.25
SET2: C123.2 POT4.1 REG14.8 REG20.8 | length 593.6
  Component Side w18: v1@6286.93,4619.35 REG20.8@6350.95,4619.35
  Component Side w20: v1(6239.17,4828.74) 6239.17,4846.59 6281.93,4889.35 ; POT4.1@6241.97,4925.29 6277.91,4889.35 6281.93,4889.35 ; REG14.8@6350.95,4889.35 6281.93,4889.35
  Solder Side w20: C123.2@6178.07,4825.96 6218.55,4825.96 6243.55,4850.96 6283.55,4810.96 v1(6283.55,4615.96)
SET3: C124.2 POT5.1 REG15.8 REG21.8 | length 585.6
  Component Side w18: 6277.91,3739.35 REG15.8@6350.95,3739.35
  Component Side w20: v1(6239.17,3681.1) 6239.17,3696.59 6277.91,3735.33 ; POT5.1@6241.97,3775.29 6277.91,3739.35 ; v1@6286.93,3469.35 REG21.8@6350.95,3469.35
  Solder Side w20: C124.2@6178.07,3675.96 6218.55,3675.96 6243.55,3700.96 6283.55,3660.96 v1(6283.55,3465.96)
SET4: C125.2 POT6.1 REG16.8 REG22.8 | length 582.8
  Component Side w18: 6281.93,2589.35 REG16.8@6350.95,2589.35 ; v1@6286.93,2319.35 REG22.8@6350.95,2319.35
  Component Side w20: POT6.1@6241.97,2625.29 6277.91,2589.35 ; v1(6244.09,2533.46) 6244.09,2551.51 6281.93,2589.35
  Solder Side w20: C125.2@6178.07,2525.96 6218.55,2525.96 6243.55,2550.96 6243.55,2355.96 v1(6283.55,2315.96)
SET5: C126.2 POT1.1 REG17.8 | length 270.8
  Component Side w19: C126.2@5792.32,333.66 5735.89,333.66 POT1.1@5683.66,281.43 5735.75,229.35 REG17.8@5802.64,229.35
SET6: C127.2 POT2.1 REG18.8 | length 217.2
  Component Side w20: POT2.1@4318.66,5845.29 4351.32,5812.64 4361.85,5812.64 4420.17,5870.96 C127.2@4430.71,5870.96 ; 4377.79,5812.64 4396.08,5794.35 REG18.8@4437.64,5794.35